# KiCad board dya-right.kicad_pcb (continued)
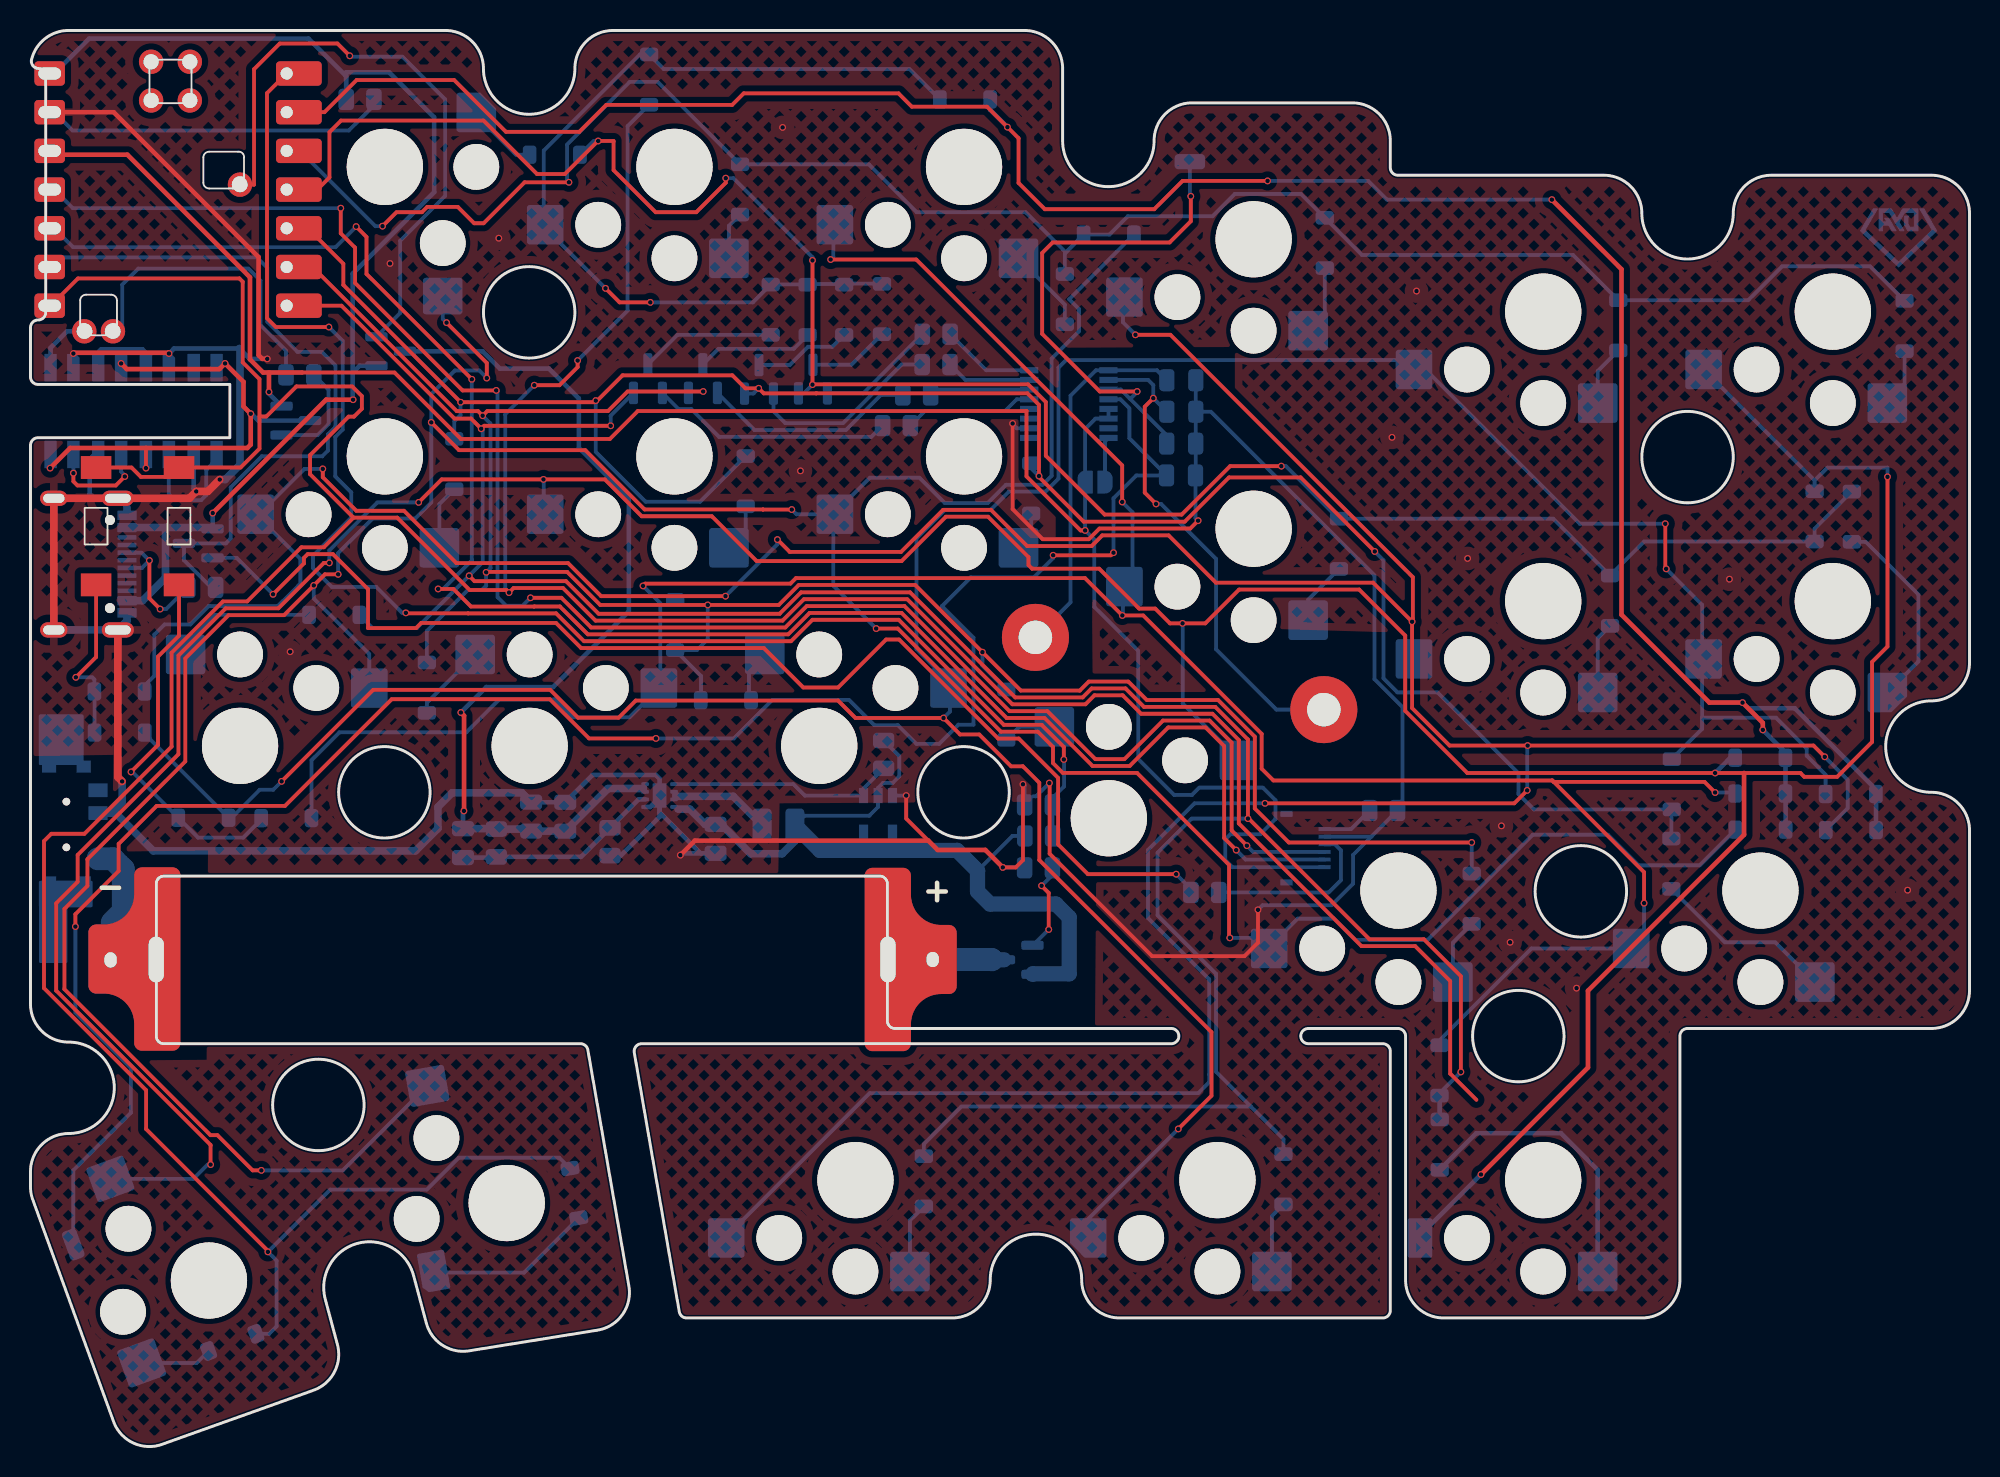
[diagram p0: board, top side]
## Nets
3.3V_R: JPR1.2 JR3.1 QR5.2 UR1.12 UR4.5 UR4.6
GNDL: CR1.2 CR2.2 CR3.2 CR4.2 CR5.2 CR7.2 CR8.2 JR1.A1 JR1.A12 JR1.B1 JR1.B12 JR1.S1 JR3.5 LED_R1.2 LED_R2.2 LED_R3.2 LED_R4.2 RR1.1 RR3.2 RR7.2 RR12.2 RR13.2 SW_BATR1.2 UR1.13 UR2.1 UR2.9 UR3.3 UR4.10
VBUS_R: JR1.A4 JR1.A9 JR1.B4 JR1.B9 QR6.1 QR7.1 RR12.1 UR1.14
BAT_R: QR6.2 UR1.15
INPUT_VOLTAGE_R: RR2.2 RR3.1 UR1.1
LABEL_CR3: DR3.2 DR21.2 DR43.1 DR45.1 SWR2.1 SWR7.1 SWR16.1 SWR20.1
LABEL_CR4: DR4.2 DR28.2 DR44.1 SWR3.1 SWR8.1 SWR12.1 SWR21.1
LABEL_CR5: DR5.2 DR35.2 DR46.1 SWR4.1 SWR9.1 SWR13.1 SWR17.1
LED_EN_R: RR5.1 UR1.17
LED_R: LED_R1.3 UR1.18
LR_COM_R: JR1.A6 JR1.B6 RR15.1
MOTION_OR_LR_COM_R: QR7.3 RR15.2 UR1.9
MOTION_R: JR3.4 RR14.2
PINR0: DR1.1 DR2.1 DR3.1 DR4.1 DR5.1 DR6.1 UR1.2
PINR1: DR7.1 DR8.2 DR9.2 DR10.2 DR11.2 DR12.2 UR1.3
PINR2: DR13.2 DR14.1 DR15.2 DR16.2 DR17.2 QR1.2 UR1.4
PINR3: DR19.2 DR20.2 DR21.1 DR22.2 DR23.2 QR2.2 UR1.5
PINR4: DR25.2 DR26.2 DR27.2 DR28.1 DR29.2 QR3.2 UR1.6
PINR5: DR31.2 DR32.2 DR33.2 DR34.2 DR35.1 QR4.2 UR1.7
PINR6: DR37.2 DR38.2 DR42.1 SWR27.2 SWR28.2 UR1.8
SCLK_R: JR3.2 UR1.10
SDIO_R: JR3.3 UR1.11
TOUCHR1: QR1.1 RR8.1
TOUCHR2: QR2.1 RR9.1
TOUCHR3: QR3.1 RR10.1
TOUCHR4: QR4.1 RR11.1
Net-(DR1-A): DR1.2 DR7.2 SWR6.1 SWR10.1 SWR14.1 SWR18.1 SWR22.1
Net-(DR8-K): DR8.1 SWR1.2
Net-(DR9-K): DR9.1 SWR2.2
Net-(DR10-K): DR10.1 SWR3.2
Net-(DR11-K): DR11.1 SWR4.2
Net-(DR12-K): DR12.1 SWR5.2
Net-(DR13-K): DR13.1 SWR6.2
Net-(DR14-A): DR2.2 DR14.2 SWR1.1 SWR11.1 SWR15.1 SWR19.1 SWR23.1
Net-(DR15-K): DR15.1 SWR7.2
Net-(DR16-K): DR16.1 SWR8.2
Net-(DR17-K): DR17.1 SWR9.2
Net-(DR18-A): DR18.2 QR1.3
Net-(DR18-K): DR6.2 DR18.1 DR24.1 DR30.1 DR36.1 DR42.2 SWR5.1
Net-(DR19-K): DR19.1 SWR10.2
Net-(DR20-K): DR20.1 SWR11.2
Net-(DR22-K): DR22.1 SWR12.2
Net-(DR23-K): DR23.1 SWR13.2
Net-(DR24-A): DR24.2 QR2.3
Net-(DR25-K): DR25.1 SWR14.2
Net-(DR26-K): DR26.1 SWR15.2
Net-(DR27-K): DR27.1 SWR16.2
Net-(DR29-K): DR29.1 SWR17.2
Net-(DR30-A): DR30.2 QR3.3
Net-(DR31-K): DR31.1 SWR18.2
Net-(DR32-K): DR32.1 SWR19.2
Net-(DR33-K): DR33.1 SWR20.2
Net-(DR34-K): DR34.1 SWR21.2
Net-(DR36-A): DR36.2 QR4.3
Net-(DR37-K): DR37.1 SWR22.2
Net-(DR38-K): DR38.1 SWR23.2
Net-(DR43-A): DR43.2 DR44.2 SWR27.1
Net-(DR45-A): DR45.2 DR46.2 SWR28.1
Net-(JPR1-A): JPR1.1 UR4.8
Net-(JR3-Pin_6): JR3.6 RR1.2
Net-(JR4-Pin_1): JR4.1 QR8.3
Net-(JR4-Pin_2): JR4.2 SW_BATR1.3
Net-(LED_R1-DOUT): LED_R1.1 LED_R2.3
Net-(LED_R1-VDD): LED_R1.4 LED_R2.4 LED_R3.4 LED_R4.4 QR5.3
Net-(LED_R2-DOUT): LED_R2.1 LED_R3.3
Net-(LED_R3-DOUT): LED_R3.1 LED_R4.3
Net-(LR1-Pad2): LR1.2 UR2.6 UR2.7
Net-(QR5-G): QR5.1 RR5.2
Net-(QR6-D): CR6.1 CR7.1 CR8.1 QR6.3 RR6.1 UR2.3 UR2.4
Net-(QR7-S): QR7.2 RR14.1
Net-(QR8-G): QR8.1 RR13.1
Net-(QR8-S): CR5.1 LR1.1 QR8.2 RR2.1 RR4.2 UR2.8 UR3.2
Net-(TR1-Pin_1): CR1.1 TR1.1 UR4.1
Net-(TR2-Pin_1): CR2.1 TR2.1 UR4.2
Net-(TR3-Pin_1): CR3.1 TR3.1 UR4.3
Net-(TR4-Pin_1): CR4.1 TR4.1 UR4.4
Net-(UR2-EN): RR4.1 UR2.5 UR3.1
Net-(UR2-FB): CR6.2 RR6.2 RR7.1 UR2.2
Net-(UR4-TPQ0): RR8.2 UR4.16
Net-(UR4-TPQ1): RR9.2 UR4.15
Net-(UR4-TPQ2): RR10.2 UR4.14
Net-(UR4-TPQ3): RR11.2 UR4.13

Pads without a net: JR1 A5 A7 A8 B5 B7 B8; JR3 0; LED_R4 1; SW_BATR1 1 4; UR1 19 20 21 22; UR3 4 5; UR4 7 9 11 12

## Via types
v1: diameter 0.45, hole 0.3, Top to Bottom, 139 vias

## Routing (per net, layer and track width the routed paths; a pad name or vN(x,y) marks a point on that pad's centre or on a via; arc(x,y) is an arc through that point)
3.3V_R: length 136.9
  Top w0.25: 17.83,70.49 23.88,70.49 28.24,66.13 38.01,66.13 39.84,67.96 65.35,67.96 65.35,67.96 65.35,63.67 68.9,60.12 v1(69.2,60.12)
  Top w0.3: v1(15.65,69.21) 15.65,70.49 ; 1.56,85.03 1.81,84.78 6.36,84.78 14.4,76.74 14.4,71.35 15.26,70.49 17.83,70.49
  Bottom w0.25: UR4.5 UR4.6 69.87,67.46 69.2,66.79 JPR1.2 v1(69.2,60.12) 69.8,59.52 69.8,55.1 72.67,52.23 72.67,45.13 75.04,42.76 76.2,42.76 76.68,43.24 80.86,43.24 81.68,42.42 81.68,41.18 80.69,40.18 78.73,40.18 78.39,39.84 78.39,38.48 78.85,38.02 JR3.1
  Bottom w0.3: v1(15.65,69.21) 15.65,69.11 QR5.2
GNDL: length 317
  Top w0.25: v1(63.79,38.01) 64.64,38.01 65.12,38.48 v1(65.12,43.46) ; v1(80.54,35.22) 80.54,33.07 79.65,32.18 73.59,32.18 66.87,38.9 66.87,43.52 v1(66.85,43.54) ; v1(64.44,67.14) 64.44,61.52 66.41,59.55 69.43,59.55 70.13,60.25 76.09,60.25 v1(76.61,60.76) ; 58.91,39.76 57.46,41.21 v1(57.46,42.72)
  Top w0.3: v1(42.64,38.81) 43.59,39.76 58.91,39.76 59.52,39.15 62.65,39.15 v1(63.79,38.01) ; v1(2.82,71.73) 2.87,71.78 9.04,71.78 v1(9.09,71.73) ; 1.56,87.57 5.46,87.57 14.97,78.06 14.97,71.62 15.21,71.38 v1(15.54,71.38)
  Top w0.5: JR1.S1 5.73,43.93 v1(6.01,43.65) ; v1(12.42,63.46) 11.64,62.68 v1(10.88,62.68) 10.43,62.23 JR1.S1 JR1.S1 JR1.S1
  Bottom w0.25: UR4.10 64.71,66.83 64.44,67.1 v1(64.44,67.14) ; JR3.5 87.97,40.02 ; 87.97,40.02 RR1.1 90.02,42.07 90.02,48.53 88.18,50.37 88.18,57.18 77.44,67.91 CR2.2 ; 87.97,40.02 86.78,38.83 86.78,36.94 85.36,35.52 80.84,35.52 v1(80.54,35.22) ; CR1.2 CR2.2 ; CR2.2 76.46,65.83 CR3.2 76.45,63.74 CR4.2 76.44,60.93 v1(76.61,60.76) ; v1(63.79,38.01) 65.2,38.01 RR13.2 ; v1(65.12,43.46) 65.23,43.35 RR3.2 ; 1.56,87.57 2.76,86.37 20.89,86.37 22.54,88.02 RR12.2 ; v1(9.09,71.73) 9.08,71.72 LED_R3.2 ; 6.33,61.63 JR1.S1 ; LED_R1.2 v1(2.82,71.73) ; UR3.3 v1(57.46,42.72) ; v1(66.85,43.54) 65.98,42.67 65.79,42.67
  Bottom w0.3: JR1.S1 4.16,62.23 3.89,62.5 3.89,64.8 LED_R2.2 ; v1(10.88,62.68) 10.71,62.85 LED_R4.2 ; v1(15.54,71.38) 14.39,71.38 13.71,72.06 9.42,72.06 v1(9.09,71.73) ; UR2.9 41.27,41.33 38.73,38.78 RR7.2 ; UR2.9 41.27,42.59 40.66,41.97 UR2.1 ; UR2.9 41.27,41.62 43.96,38.93 CR5.2 42.76,38.93 v1(42.64,38.81) ; UR2.9 41.27,43.82 41.02,44.07 36.88,44.07 CR8.2 32.86,42.28 CR7.2
  Bottom w0.5: JR1.A1 6.33,54.19 JR1.S1 JR1.S1 ; v1(6.01,43.65) 6.01,42.3 5.29,41.57 SW_BATR1.2 5.58,41.57 8.06,39.09 25.27,39.09 26.74,40.56 26.74,41.97 27.67,42.9 32.24,42.9 CR7.2 ; 13.71,72.06 13.75,72.02 13.75,64.44 12.77,63.46 v1(12.42,63.46) ; JR1.A12 6.33,61.63
  vias: v1(17.04,52.16) v1(23.59,77.64) v1(30.73,79.3) v1(49.35,86.57) v1(50.52,64.03) v1(89.33,66.23) v1(90.94,75.83) v1(94.29,58.28) v1(96.51,40.73) v1(97.08,33.09) v1(101.44,30.08) v1(111.47,56.92) v1(123.16,36.51)
VBUS_R: length 79.4
  Top w0.3: v1(21.17,68.7) 19.4,68.7 v1(11.96,61.26)
  Bottom w0.3: 21.14,70.47 21.14,68.73 v1(21.17,68.7) ; 21.14,70.47 21.6,70.93 QR6.1 ; 21.14,70.47 21.14,76.97 26.49,82.32 26.49,87.23 23.53,90.19 20.71,90.19 RR12.1 20.71,89.93 18.24,92.4 3.85,92.4 1.56,90.11 ; v1(11.96,61.26) 11.96,60.24 QR7.1
  Bottom w0.5: 8.86,60.31 11.86,60.31 QR7.1 ; 8.86,60.31 JR1.A9 ; 8.86,60.31 8.86,57.02 7.35,55.51 JR1.A4
BAT_R: length 40.4
  Top w0.25: 14.03,82.82 14.67,82.82 14.67,90.39 16.36,92.08 20.14,92.08 v1(20.95,91.27)
  Bottom w0.25: QR6.2 24.26,74.39 24.26,79.13 27.21,82.08 27.21,88.41 24.41,91.21 21.01,91.21 v1(20.95,91.27)
INPUT_VOLTAGE_R: length 100.2
  Top w0.25: v1(24.63,54.71) 24.66,54.68 28.71,54.68 28.71,54.68 34.49,54.68 36.32,52.85 49.9,52.85 51.3,54.26 56.97,54.26 63.86,47.36 66.34,47.36 67.8,45.91 v1(67.8,45.09) ; UR1.1 15.52,88.82 15.52,74.05 16.1,73.47 v1(19.58,73.47)
  Bottom w0.25: v1(67.8,45.09) 67.82,45.07 67.82,43.32 67.05,42.56 67.05,40.06 ; v1(19.58,73.47) 20.49,72.56 20.49,66.74 20,66.25 20,63.67 21.05,62.62 21.05,60.97 18.54,58.46 18.54,57.65 19.78,56.41 22.69,56.41 24.39,54.71 v1(24.63,54.71)
LABEL_CR3: length 210.7
  Top w0.25: v1(107.26,60.56) 107.26,57.66 v1(107.32,57.6) ; v1(75.31,20.84) 77.49,23.02 77.49,27.19 66.19,38.49 66.19,43.56 65.11,44.64 64.34,44.64 62.25,46.73 60.99,46.73 v1(59.91,47.81) 54.13,47.81 52.98,48.96 39.71,48.96 38.58,47.83 35.92,47.83 34.09,49.66 22.49,49.66 v1(16.48,43.65)
  Bottom w0.25: 109.67,47.1 109.67,47.83 114.52,47.83 116.54,45.81 116.54,45.33 117.78,44.09 DR3.2 ; 109.67,47.1 DR21.2 ; 109.67,47.1 109.67,55.25 v1(107.32,57.6) ; 69.3,13.68 69.3,14.84 v1(75.31,20.84) ; DR43.1 7.5,46.76 DR45.1 13.2,41.26 15.04,43.1 15.93,43.1 v1(16.48,43.65) ; v1(107.26,60.56) 101.65,60.56 91.53,70.68 90.67,70.68 90.05,71.31 67.94,71.31 67.45,70.81 67.45,63.52 66.59,62.67 64.19,62.67 62.99,61.47 60.01,61.47 58.13,59.59 58.13,52.34 60.32,50.15 60.32,48.23 v1(59.91,47.81)
LABEL_CR4: length 267.4
  Top w0.25: v1(98.2,43.06) 97.35,42.21 v1(81,42.21) ; v1(45.6,55.81) 37.44,55.81 35.27,57.98 27.94,57.98 24.51,61.41 21.38,61.41 19.18,63.62 v1(19.18,64.16) ; v1(72.5,72.96) 74.79,72.96 90.7,57.06 90.7,54.34 90.65,54.29 v1(90.65,54.13) ; v1(90.65,54.13) 88.09,56.69 77.78,56.69 74.67,59.8 70.32,59.8 69.62,59.1 65.39,59.1 63.02,61.47 59.88,61.47 57.12,58.71 49.82,58.71 v1(49.01,59.52) ; v1(90.65,54.13) 90.65,48.46 93.11,46 v1(98.23,46) 116.98,46 v1(117.72,45.27)
  Bottom w0.25: SWR12.1 17.71,58.26 17.71,56.63 16.24,55.16 11.7,55.16 10.49,53.95 8.8,53.95 8.13,53.28 8.13,50.57 7.49,49.94 DR44.1 ; 45.55,13.68 55.06,23.19 76.62,23.19 77.35,23.92 77.35,24.4 77.34,24.41 77.34,30.66 73.32,34.68 73.32,39.15 76.38,42.21 v1(81,42.21) ; DR28.2 42.53,55.81 v1(45.6,55.81) 49.01,59.22 v1(49.01,59.52) ; v1(117.72,45.27) 119.23,43.76 119.23,41.89 DR4.2 ; v1(98.23,46) 98.2,45.97 v1(98.2,43.06) ; 71.67,75.43 71.67,73.79 v1(72.5,72.96) ; v1(90.65,54.13) 90.65,51.71 90.67,51.68 ; v1(19.18,64.16) 17.98,64.16 15,61.18 14.67,61.18
LABEL_CR5: length 182.5
  Top w0.25: 99.85,43.71 105.87,37.69 v1(105.87,35.66) ; 99.85,43.71 81.55,43.71 80.78,44.48 80.78,46.77 73.01,54.54 v1(71.64,54.54) 69.19,56.99 50.22,56.99 49.86,56.63 40.34,56.63 v1(40.19,56.48) ; 99.85,43.71 99.94,43.62 109.83,43.62 v1(110.53,42.92) ; v1(71.63,61.99) 71.63,64.39 58.12,77.9 v1(52.5,77.9)
  Bottom w0.25: DR46.1 18.44,45.04 20.27,46.87 28.6,46.87 30.76,49.03 34.38,49.03 35.55,47.86 39.31,47.86 SWR17.1 ; DR5.2 111.77,42.92 v1(110.53,42.92) ; v1(71.64,54.54) 71.67,54.58 71.67,56.43 72.31,57.07 72.31,61.31 v1(71.63,61.99) ; v1(40.19,56.48) 41.32,55.35 41.32,49.78 ; DR35.2 92.45,26.66 98.47,32.68 105.02,32.68 105.87,33.53 v1(105.87,35.66) ; 52.67,80.18 52.67,78.08 v1(52.5,77.9)
LED_EN_R: length 20.9
  Bottom w0.25: RR5.1 16.76,71.93 15.09,73.6 15.09,76.52 14.31,77.3 7.07,77.3 6.02,76.25 6.02,73.5 5.71,73.19 UR1.17 5.88,72.73
LED_R: length 4.2
  Bottom w0.3: UR1.18 2.4,73.19 1.32,72.11 LED_R1.3
LR_COM_R: length 9.2
  Top w0.25: v1(8.51,54.96) 7.8,55.67 v1(7.8,58.15)
  Bottom w0.25: JR1.B6 7.29,58.66 v1(7.8,58.15) 7.32,57.66 JR1.A6 ; RR15.1 8.9,54.96 v1(8.51,54.96)
MOTION_OR_LR_COM_R: length 47.4
  Bottom w0.25: 1.56,77.41 2.19,78.04 14.86,78.04 15.54,77.36 15.54,73.82 17.52,71.84 19.12,71.84 20.01,70.95 20.01,66.92 19.52,66.43 19.52,65.36 19.14,64.99 15.17,64.99 13.14,62.95 13.14,59.59 12.82,59.28 QR7.3 10.07,58.17 11.86,56.38 RR15.2
MOTION_R: length 11.5
  Bottom w0.25: RR14.2 85.17,36.36 85.98,37.17 85.98,39.13 85.58,39.52 JR3.4
PINR0: length 157.6
  Top w0.25: v1(81.17,83.06) 75.59,83.06 73.73,81.2 66.56,81.2 64.83,82.93 64.83,85.86 v1(64.1,86.59) 62.76,87.93 57.83,87.93 56.95,88.81 46.79,88.81 46.04,88.05 37.78,88.05 36.01,86.28 31.2,86.28 27.8,89.68 21.4,89.68 19.29,87.57 UR1.2
  Top w0.3: v1(99.82,81.83) 104.39,77.26 104.39,54.59 110.15,48.82 v1(112.33,48.82) 113.66,47.49 v1(113.66,47.03)
  Bottom w0.25: v1(99.82,81.83) 89,81.83 87.77,83.06 v1(81.17,83.06)
  Bottom w0.3: DR1.1 115.16,42.84 DR5.1 DR2.1 115.14,45.55 v1(113.66,47.03) ; DR4.1 121.09,42.81 ; 121.09,42.81 DR3.1 ; 121.09,42.81 121.09,43.12 115.76,48.45 112.7,48.45 v1(112.33,48.82) ; v1(64.1,86.59) 62.96,87.73 DR6.1
PINR1: length 128.7
  Top w0.25: v1(23.1,80.09) 24.01,81.01 25.68,81.01 26.03,81.36 28.03,81.36 29.11,80.28 29.73,80.28 32.42,82.97 v1(35.33,82.97)
  Bottom w0.25: DR7.1 70.8,79.54 72,80.74 77.55,80.74 79.02,82.21 83.35,82.21 DR10.2 87.36,78.2 101.21,78.2 DR9.2 112.7,75.23 114.92,77.46 120.69,77.46 DR8.2 ; DR7.1 67.87,78.31 DR11.2 ; DR7.1 67.93,78.37 65.29,81.01 58.15,81.01 55,84.15 DR12.2 41.15,89.56 39.32,89.56 35.21,85.45 35.21,83.09 v1(35.33,82.97) ; v1(23.1,80.09) 22.63,80.09 17.69,85.03 UR1.3
PINR2: length 138.8
  Top w0.25: UR1.4 18.82,82.49 19.62,83.29 19.62,86.26 20.38,87.02 29.73,87.02 33.24,83.51 35.06,83.51 37.25,85.7 v1(37.25,85.68) 38.26,85.68 38.26,83.77 41.02,81.01 43.68,81.01 45.62,82.94 v1(45.62,83.24) ; v1(82.07,64.34) 78.71,64.34 75.53,61.16 70.48,61.16 66.62,65.02 66.62,68.55 65.45,69.71 51.33,69.71 v1(51.31,69.69) v1(51.31,77.84)
  Bottom w0.25: v1(37.25,85.68) 36.95,85.68 DR13.2 ; QR1.2 50.74,69.12 v1(51.31,69.69) ; DR15.2 117.06,60.24 DR14.1 105.87,59.4 DR16.2 99.91,60.89 DR17.2 85.82,60.89 82.37,64.34 v1(82.07,64.34) ; v1(45.62,83.24) 46.12,83.24 51.31,78.05 v1(51.31,77.84)
PINR3: length 141.9
  Top w0.25: v1(88.2,58.74) 83.34,63.6 78.63,63.6 75.73,60.7 69.1,60.7 66.17,63.63 v1(66.17,63.69) 66.17,68.36 65.41,69.12 51.55,69.12 51.54,69.12 48.11,69.12 v1(47.78,69.45) 46.9,69.45 46.05,70.3 38.85,70.3 37.19,68.64 v1(37.09,68.64) 36.98,68.54 v1(28.22,68.54) 20.53,76.24 20.53,77.62 18.2,79.95 UR1.5
  Bottom w0.25: DR20.2 43.93,62.01 40.36,62.01 37.09,65.28 v1(37.09,68.64) ; v1(88.2,58.74) 88.77,58.17 88.77,50.41 89.69,49.49 92.32,49.49 97.62,44.19 97.62,42.83 98.63,41.81 DR21.1 107.66,41.79 DR23.2 ; v1(28.22,68.54) 28.22,68.53 28.22,67.69 27.81,67.28 DR22.2 ; DR19.2 65.66,64.2 v1(66.17,63.69) ; v1(47.78,69.45) 47.43,69.11 QR2.2
PINR4: length 141.9
  Top w0.25: v1(94.56,39.64) 82.56,39.64 80.33,41.87 80.33,46.59 77.92,48.99 73.24,48.99 72.03,50.2 69.43,50.2 68.84,49.61 64.98,49.61 v1(62.46,52.13) 58.05,56.54 50.41,56.54 49.1,55.23 v1(44.44,55.23) 37.38,55.23 35.21,57.4 29.93,57.4 v1(29.9,57.37) ; v1(44.14,69.24) 39.18,69.24 37.89,67.96 29.97,67.96 v1(29.67,67.65) 29.37,67.95 27.97,67.95 18.51,77.41 UR1.6
  Bottom w0.25: DR29.2 26.01,53.52 28.7,56.22 29.62,56.22 29.9,56.49 v1(29.9,57.37) 30.19,57.66 30.19,67.13 v1(29.67,67.65) ; v1(44.14,69.24) 43.26,69.24 QR3.2 ; v1(94.56,39.64) DR25.2 ; DR27.2 44,49.01 44,50.57 DR28.1 43.73,52.27 44.44,52.98 v1(44.44,55.23) ; DR26.2 62.46,51.25 v1(62.46,52.13)
PINR5: length 190.7
  Top w0.25: v1(38.07,66.99) 29.77,66.99 v1(29.57,66.8) 28.91,67.46 27.82,67.46 20.41,74.87 UR1.7 ; v1(93.85,24.58) 93.85,30.86 91.42,33.29 87.85,33.29 79.93,41.21 v1(79.88,41.21) 79.88,46.4 77.73,48.54 73.05,48.54 71.84,49.75 69.62,49.75 69.03,49.16 64.61,49.16 57.71,56.06 50.56,56.06 49.15,54.65 37.28,54.65 35.14,56.79 29.13,56.79 v1(28.78,57.15)
  Bottom w0.25: 80.07,22.31 82.21,20.17 DR33.2 ; 80.07,22.31 61.08,22.31 58.62,19.85 DR34.2 ; 80.07,22.31 77.79,24.59 77.79,31.02 73.95,34.86 73.95,38.97 76.18,41.21 v1(79.88,41.21) ; QR4.2 38.07,67.65 v1(38.07,66.99) ; 92.61,22.87 DR35.1 92.45,23.18 v1(93.85,24.58) ; v1(29.57,66.8) 29.67,66.7 29.67,58.03 v1(28.78,57.15) 25.35,53.71 22.45,53.71 DR31.2
  Bottom w0.3: DR35.1 92.46,23.02 DR32.2
PINR6: length 285.4
  Top w0.25: v1(33.06,69.65) 34.71,69.65 35.9,70.84 v1(35.9,71.27) ; SWR27.2 6.63,64.25 7.24,63.64 9.13,63.64 SWR28.2 13.79,64.25 15.03,65.49 15.03,67.6 ; 15.03,67.6 15.48,67.6 17.45,69.57 21.11,69.57 21.74,68.94 21.74,68.11 21.23,67.59 20.87,67.59 18.34,65.07 18.34,63.81 21.19,60.96 ; 15.03,67.6 15.03,70.05 13.93,71.15 13.93,76.44 13.71,76.66 3.12,76.66 1.33,74.87 ; v1(15.58,12.77) 15.58,12.84 7.59,20.83 7.59,23.38 0.89,30.08 0.89,39.73 1.37,40.21 3.54,40.21 9.26,45.93 9.26,52.1 12.62,55.46 14.22,55.46 17.77,59.02 19.25,59.02 21.19,60.96 ; 21.19,60.96 24.06,60.96 28.81,56.21 31.23,56.21 v1(31.4,56.04) 31.7,56.34 34.94,56.34 37.08,54.2 49.34,54.2 50.74,55.61 57.52,55.61 64.42,48.71 69.22,48.71 69.81,49.3 71.66,49.3 72.87,48.09 77.55,48.09 79.28,46.36 79.28,40.89 87.33,32.84 90.85,32.84 93.15,30.54 93.15,24.47 94.86,22.75
  Bottom w0.25: v1(31.4,56.04) 31.15,56.29 31.15,67.74 v1(33.06,69.65) ; DR42.1 39.17,86.66 39.17,74.55 v1(35.9,71.27) ; DR38.2 15.66,7.4 16.15,7.88 16.15,12.21 v1(15.58,12.77) 19.66,16.86 26,16.86 28.1,18.95 34.69,18.95 DR37.2
SCLK_R: length 121.2
  Top w0.25: v1(28.96,70.04) 22.05,76.95 22.05,79.38 v1(21.37,80.06) ; v1(26.75,56.28) 27.75,56.28 28.9,55.13 33.04,55.13 33.05,55.13 34.74,55.13 36.57,53.3 49.71,53.3 51.12,54.71 57.15,54.71 64.05,47.81 66.53,47.81 69.68,44.66 72.12,44.66 74.65,47.19 77.1,47.19 78.32,45.97 78.32,39.93 v1(79.11,39.14)
  Bottom w0.25: v1(26.75,56.28) 27.07,56.28 28.96,58.17 v1(28.96,70.04) ; 1.56,79.95 2.8,78.71 20.02,78.71 v1(21.37,80.06) ; v1(79.11,39.14) 79.73,38.52 JR3.2
SDIO_R: length 118.6
  Top w0.25: v1(79.81,39.43) 78.81,40.43 78.81,46.2 77.36,47.64 74.3,47.64 71.77,45.11 69.87,45.11 66.72,48.26 64.23,48.26 57.34,55.16 50.93,55.16 49.52,53.75 36.79,53.75 34.84,55.7 v1(32.81,55.7) ; v1(30.56,69.31) 28.35,69.31 21.3,76.36 21.3,78.68 20.36,79.62 v1(20.36,81.27)
  Bottom w0.25: JR3.3 80.22,39.02 v1(79.81,39.43) ; v1(32.81,55.7) 32.28,55.18 31.21,55.18 30.65,55.74 30.65,69.22 v1(30.56,69.31) ; v1(20.36,81.27) 2.78,81.27 1.56,82.49
TOUCHR1: length 7.8
  Bottom w0.25: QR1.1 54.63,69.12 RR8.1
TOUCHR2: length 12.8
  Bottom w0.25: QR2.1 48.75,67.94 49.53,67.16 53.31,67.16 57.16,71.01 RR9.1
TOUCHR3: length 14.1
  Bottom w0.25: QR3.1 47.5,66.71 53.5,66.71 55.8,69.01 RR10.1
TOUCHR4: length 15.9
  Bottom w0.25: RR11.1 55.16,66.26 45.18,66.26 43.36,68.09 42.52,68.09 QR4.1
Net-(DR1-A): length 250.9
  Top w0.25: v1(55.49,53.68) 56.9,53.68 63.67,46.91 66.09,46.91 67.09,45.91 67.09,44.85 67.73,44.21 72.6,44.21 78.64,38.17 78.64,33.43 v1(78.69,33.38) ; v1(26.3,67.21) 28.12,65.39 36.4,65.39 40.29,61.5 48.06,61.5 48.07,61.49 v1(49.95,61.49) ; v1(27.3,73.76) 29.94,71.12 v1(29.94,70.12) ; v1(20.19,57.24) 19.32,57.24 v1(18.59,56.51) 16.64,54.56 13,54.56 10.16,51.72 10.16,44.96 3.74,38.54 3.74,36.79 2.23,35.28 2.23,30.02 11.81,20.43 12.27,20.43 14.58,18.12 v1(15.15,18.12)
  Bottom w0.25: v1(55.49,53.68) 52.67,56.5 52.67,61.18 ; 52.67,61.18 55.07,63.58 58.33,63.58 59.99,61.92 62.81,61.92 64,63.12 66.4,63.12 67,63.71 67,71.4 68.79,73.2 68.79,74.65 68.15,75.3 DR7.2 ; 52.67,61.18 50.26,61.18 v1(49.95,61.49) ; SWR22.1 20.49,18.12 v1(15.15,18.12) ; v1(78.69,33.38) 80.48,33.38 81.18,32.68 83.13,34.64 85.51,34.64 86.9,33.25 91.67,33.25 98.57,40.15 103.5,40.15 105.51,38.14 109.52,38.14 DR1.2 ; v1(18.59,56.51) 18.59,55.66 22.23,52.02 SWR18.1 ; 27.05,75.41 27.05,74.01 v1(27.3,73.76) ; v1(29.94,70.12) 29.44,70.62 27.84,70.62 26.3,69.07 v1(26.3,67.21) 26.3,61.96 25.25,60.91 22.45,60.91 20.19,58.64 v1(20.19,57.24)
Net-(DR8-K): length 3.9
  Bottom w0.25: DR8.1 122.96,69.62 SWR1.2
Net-(DR9-K): length 4
  Bottom w0.25: DR9.1 102.82,70.58 SWR2.2
Net-(DR10-K): length 4.6
  Bottom w0.25: DR10.1 84.92,74.33 SWR3.2
Net-(DR11-K): length 5.6
  Bottom w0.25: DR11.1 67.87,74.94 SWR4.2
Net-(DR12-K): length 3.2
  Bottom w0.25: DR12.1 45.82,80.12 SWR5.2
Net-(DR13-K): length 4.6
  Bottom w0.25: DR13.1 31.85,84.78 29.25,87.38
Net-(DR14-A): length 269.5
  Top w0.25: v1(121.84,63.64) 121.84,52.5 120.83,51.49 120.83,46.24 118.54,43.95 116.38,43.95 116.13,44.2 v1(110.53,44.2) 94.27,44.2 90.2,48.28 90.2,53.22 87.18,56.24 79.3,56.24 77.08,54.02 v1(75.59,54.02) 74.77,54.02 73.8,54.99 72.74,54.99 70.12,57.61 65.72,57.61 65.48,57.85 65.48,58.37 62.83,61.02 60.06,61.02 57.15,58.11 47.64,58.11 44.7,61.05 40.1,61.05 37.68,63.47 v1(33.66,63.47) 26.98,63.47 v1(25.47,61.96) ; v1(11.82,18.5) 11.82,19.79 1.69,29.92 1.69,35.65 3.1,37.06 3.1,38.82 9.71,45.43 9.71,51.91 12.81,55.01 16.27,55.01 19.25,57.99 v1(19.61,57.99)
  Top w0.3: 112.43,44.2 112.43,40.15 102.19,29.91 102.19,24.87 v1(95.17,17.85)
  Bottom w0.25: v1(75.59,54.02) 75.6,54.01 75.6,48.76 79.32,45.03 ; v1(11.82,18.5) 11.63,18.5 10.69,17.56 SWR23.1 ; 33.67,61.18 33.67,63.46 v1(33.66,63.47) ; SWR1.1 117.06,63.41 ; 117.06,63.41 DR14.2 ; 117.06,63.41 117.89,64.24 121.84,64.24 v1(121.84,63.64) ; v1(25.47,61.96) 22.76,61.96 19.61,58.81 v1(19.61,57.99)
  Bottom w0.3: SWR19.1 91,13.69 v1(95.17,17.85) ; v1(110.53,44.2) 111.53,45.2 DR2.2
Net-(DR15-K): length 13.1
  Bottom w0.25: DR15.1 120.4,59.38 123.87,55.91 123.87,51.53 SWR7.2
Net-(DR16-K): length 4.7
  Bottom w0.25: SWR8.2 102.82,53.05 DR16.1
Net-(DR17-K): length 4.2
  Bottom w0.25: DR17.1 83.82,55.57 SWR9.2
Net-(DR18-A): length 5.4
  Bottom w0.25: DR18.2 53.86,71 QR1.3
Net-(DR18-K): length 59.7
  Top w0.25: v1(37.73,76.01) 38.65,75.09 v1(40.67,75.09)
  Bottom w0.25: 48.54,76.31 48.58,76.27 50.98,76.27 51,76.29 53.45,76.29 53.48,76.32 56,76.32 ; v1(37.73,76.01) 33.67,80.07 33.67,85.06 39.99,91.37 DR42.2 41.54,90.41 57.67,90.41 DR6.2 ; v1(40.67,75.09) 47.4,75.09 DR36.1
Net-(DR19-K): length 2.6
  Bottom w0.25: DR19.1 65.66,59.82 SWR10.2
Net-(DR20-K): length 3.2
  Bottom w0.25: DR20.1 46.93,60.09 SWR11.2
Net-(DR22-K): length 4.3
  Bottom w0.25: DR22.1 26.82,61.85 SWR12.2
Net-(DR23-K): length 12
  Bottom w0.25: SWR13.2 114.47,33.09 111.17,33.09 DR23.1
Net-(DR24-A): length 6.4
  Bottom w0.25: QR2.3 49.81,70.98 51.01,72.18 52.61,72.18 DR24.2
Net-(DR25-K): length 4.3
  Bottom w0.25: DR25.1 93.33,33.07 SWR14.2
Net-(DR26-K): length 3.5
  Bottom w0.25: SWR15.2 64.88,47.23 DR26.1
Net-(DR27-K): length 3.5
  Bottom w0.25: SWR16.2 47.14,50.95 47.14,49.12 DR27.1
Net-(DR29-K): length 5.1
  Bottom w0.25: SWR17.2 26.01,48.82 DR29.1
Net-(DR30-A): length 7.7
  Bottom w0.25: DR30.2 50.08,72.04 45.14,72.04 QR3.3
Net-(DR31-K): length 9.6
  Bottom w0.25: SWR18.2 10.17,52.63 12.13,54.58 DR31.1
Net-(DR32-K): length 19
  Bottom w0.3: SWR19.2 102.82,18.15 100.41,20.56 94.86,20.56 DR32.1
Net-(DR33-K): length 4.7
  Bottom w0.25: SWR20.2 81.45,15.14 DR33.1
Net-(DR34-K): length 4.6
  Bottom w0.25: SWR21.2 57.7,14.84 DR34.1
Net-(DR36-A): length 8.9
  Bottom w0.25: DR36.2 42.45,72.96 QR4.3
Net-(DR37-K): length 11.7
  Bottom w0.25: 35.81,14.83 DR37.1 32.39,11.42 SWR22.2
Net-(DR38-K): length 4.7
  Bottom w0.25: DR38.1 10.9,5.48 SWR23.2
Net-(DR43-A): length 11.4
  Top w0.25: v1(2.98,50.48) 4.3,51.81 SWR27.1
  Bottom w0.25: v1(2.98,50.48) 4.06,50.48 4.19,50.35 DR44.2 4.2,49.54 DR43.2
Net-(DR45-A): length 24.5
  Top w0.25: v1(6.6,44.27) 8.37,46.04 8.37,51.84 9.74,53.22 SWR28.1
  Bottom w0.25: v1(6.6,44.27) 6.69,44.27 11,39.96 13.96,39.96 15.14,41.14 DR46.2
Net-(JPR1-A): length 3
  Bottom w0.25: UR4.8 70.5,65.97 JPR1.1
Net-(JR3-Pin_6): length 3.5
  Bottom w0.25: RR1.2 86.64,40.52 JR3.6
Net-(JR4-Pin_1): length 4.7
  Bottom w1: QR8.3 63.08,31.94
  Bottom w1.5: 63.08,31.94 63.06,31.96 JR4.1
Net-(JR4-Pin_2): length 9.7
  Bottom w0.5: 7.6,33.24 8.8,32.04 8.8,31.93 ; 9.19,31.93 9.19,34.07
  Bottom w1.5: SW_BATR1.3 5.41,38.57 6.09,37.89 6.09,35.11 5.37,34.39
Net-(LED_R1-DOUT): length 7.5
  Top w0.25: v1(6.19,63.66) 5.6,63.07 3.08,63.07 2.82,63.34 v1(2.82,63.88)
  Bottom w0.25: LED_R2.3 5.95,63.98 6.19,63.74 v1(6.19,63.66) ; v1(2.82,63.88) LED_R1.1
Net-(LED_R1-VDD): length 36
  Top w0.25: v1(7.58,64.21) 7.58,65.53
  Top w0.3: v1(1.29,64.21) 2.61,65.53 14.23,65.53 14.45,65.76 v1(14.45,67.78) 13.98,68.26 13.98,69.87 v1(12.77,71.08) 12.4,70.71 6.32,70.71 v1(5.95,71.08)
  Bottom w0.25: LED_R3.4 v1(7.58,64.21) ; v1(12.77,71.08) 12.24,70.56 LED_R4.4 ; v1(14.45,67.78) 14.5,67.78 ; LED_R2.4 v1(5.95,71.08) ; LED_R1.4 1.32,64.24 v1(1.29,64.21)
  Bottom w0.3: 14.5,67.78 14.95,67.33 QR5.3
Net-(LED_R2-DOUT): length 5.8
  Bottom w0.25: LED_R2.1 4.45,71.85 4.63,72.03 7.36,72.03 7.58,71.81 LED_R3.3
Net-(LED_R3-DOUT): length 8.8
  Bottom w0.25: LED_R3.1 9.08,62.5 9.47,62.11 11.19,62.11 11.53,62.45 11.53,64.09 11.98,64.53 11.98,65.13 LED_R4.3
Net-(LR1-Pad2): length 7.2
  Bottom w0.25: 42.52,42.67 UR2.6 UR2.7
  Bottom w0.5: 48,40.77 46.1,42.67 42.52,42.67
Net-(QR5-G): length 7
  Bottom w0.25: QR5.1 18.84,66.38 19.56,67.1 19.56,69.37 RR5.2
Net-(QR6-D): length 63.5
  Top w0.3: v1(28.44,41.71) 28.45,41.72 28.45,47.96 v1(28.24,48.17)
  Bottom w0.25: 40.03,43.18 UR2.4 UR2.3
  Bottom w0.3: 24.69,72 QR6.3 29.66,71.88 30.8,70.74 34.02,70.74 35.98,68.78 35.98,65.54 39.26,62.26 39.26,54.81 34.29,49.84 29.91,49.84 v1(28.24,48.17) ; CR6.1 28.38,41.65 v1(28.44,41.71)
  Bottom w0.5: 30.58,40.74 30.62,40.79 ; 40.03,43.18 37.89,43.18 CR8.1 35.08,40.39 CR7.1 32.71,40.53 RR6.1 30.54,40.55 CR6.1
Net-(QR7-S): length 82.8
  Top w0.25: v1(75.17,37.56) 69.38,37.56 67.42,39.52 67.42,43.88 64.84,46.46 63.49,46.46 56.99,52.96 56.14,52.96 52.99,49.81 50.71,49.81 48.12,52.4 36.13,52.4 34.48,54.05 25.63,54.05 25.3,53.71 22.15,53.71 22.15,56.27 19.84,58.57 18.19,58.57 17.94,58.32 17.94,57.96 v1(15.92,55.93)
  Bottom w0.25: RR14.1 76.13,36.6 v1(75.17,37.56) ; v1(15.92,55.93) 13.52,58.33 QR7.2
Net-(QR8-G): length 6
  Top w0.25: v1(66.81,33.93) 66.81,36.33 v1(66.34,36.8)
  Bottom w0.25: v1(66.81,33.93) 65.77,32.89 QR8.1 ; RR13.1 67.05,37.52 v1(66.34,36.8)
Net-(QR8-S): length 53.7
  Bottom w0.25: 42.49,41.83 42.35,41.97 UR2.8 ; RR4.2 57,45.31 57,43.98 56.57,43.55 55.93,43.55 55.61,43.22 UR3.2 55.61,41.97 55.03,41.4 50.78,41.4 LR1.1 ; 62.14,37.78 64.43,40.07 RR2.1
  Bottom w0.5: 42.49,41.83 43.26,41.83 44.26,40.83 CR5.1 45.32,40.83 47.25,38.9 49.32,38.9 50.15,39.74 LR1.1
  Bottom w1: LR1.1 51.8,39.12 60.8,39.12 62.14,37.78 62.14,36.43 62.96,35.6 67.28,35.6 68.15,34.73 68.15,31.02 65.77,31.02 QR8.2
Net-(TR1-Pin_1): length 24.1
  Bottom w0.25: TR1.1 68.24,55.41 68.24,68.97 69.91,70.64 73.9,70.64 CR1.1
Net-(TR2-Pin_1): length 32.8
  Top w0.25: v1(73.85,61.86) 73.11,62.6 73.11,68.24 v1(73.67,68.8)
  Bottom w0.25: CR2.1 v1(73.67,68.8) 73.67,69.66 73.33,70 UR4.2 ; TR2.1 81.74,48.36 77.79,52.32 77.79,58.25 74.18,61.86 v1(73.85,61.86)
Net-(TR3-Pin_1): length 33.9
  Top w0.25: v1(76.13,82.05) 76.13,80.41 74.74,79.02 67.07,79.02 66.38,78.33 66.38,73.02 70.16,69.24 v1(72.61,69.24)
  Bottom w0.25: v1(72.61,69.24) 72.61,69.2 72.16,68.75 ; 72.16,68.75 74.55,66.36 CR3.1 ; 72.16,68.75 71.54,69.37 UR4.3 ; v1(76.13,82.05) 76.06,82.12 TR3.1
Net-(TR4-Pin_1): length 130.6
  Top w0.25: v1(41.04,46.47) 36.65,46.47 34.08,49.04 23.7,49.04 16.7,42.04 8.28,42.04 5.79,39.55 5.79,37.77 2.95,34.93 v1(2.95,34.12) ; v1(71.06,58.66) 70.89,58.49 v1(67.1,58.49)
  Bottom w0.25: TR4.1 2.81,18.12 6.59,21.9 6.59,24.84 2.95,28.48 v1(2.95,34.12) ; v1(71.06,58.66) 71.05,58.67 71.05,62.23 72.55,63.73 CR4.1 72.1,66.17 72.1,68.14 71.51,68.73 UR4.4 ; v1(41.04,46.47) 46.15,46.47 48.68,49 53.7,49 55.36,47.34 56.91,47.34 58.14,46.11 59.62,46.11 60.88,47.37 61.87,47.37 61.87,53.08 59.8,55.15 61.7,57.05 65.84,57.05 67.1,58.31 v1(67.1,58.49)
Net-(UR2-EN): length 15.1
  Bottom w0.25: UR2.5 50.05,43.47 50.8,42.72 UR3.1 54.66,43.19 RR4.1
Net-(UR2-FB): length 13.5
  Bottom w0.3: UR2.2 39.89,42.47 RR7.1 36.12,38.7 RR6.2 30.52,38.65 CR6.2
Net-(UR4-TPQ0): length 6.2
  Bottom w0.25: 65.52,70.64 62.7,70.64 RR8.2
Net-(UR4-TPQ1): length 5.6
  Bottom w0.25: UR4.15 61.34,70 RR9.2
Net-(UR4-TPQ2): length 6.6
  Bottom w0.25: UR4.14 59.41,69.37 RR10.2
Net-(UR4-TPQ3): length 8.5
  Bottom w0.25: UR4.13 64.71,68.73 63.93,67.96 58.68,67.96 RR11.2

## Copper pours and planes (outline as drawn; the poured copper is in the pictures)
GNDL on Top: -2.56,94.69 -2.69,-5.91 128.77,-5.91 128.77,94.42 -2.57,94.66
GNDL on Bottom: 130.62,96.37 -4.4,96.54 -4.4,-8.07 130.45,-8.07 130.65,96.37

Small or netless copper shapes (teardrops, artwork), in the pictures only: 2 on Bottom

## Text on the board
B.Silkscreen: Right 右手基板 | DYA Dash Rev2.0 | Cut for right trackball / 右トラックボールの場合切断 | TouchSensor3 | TouchSensor4 | ON | 左右通信用 | GND | + | -
F.Silkscreen: + | -
